# KiCad board TX75v2 PCB replacement.kicad_pcb (continued)
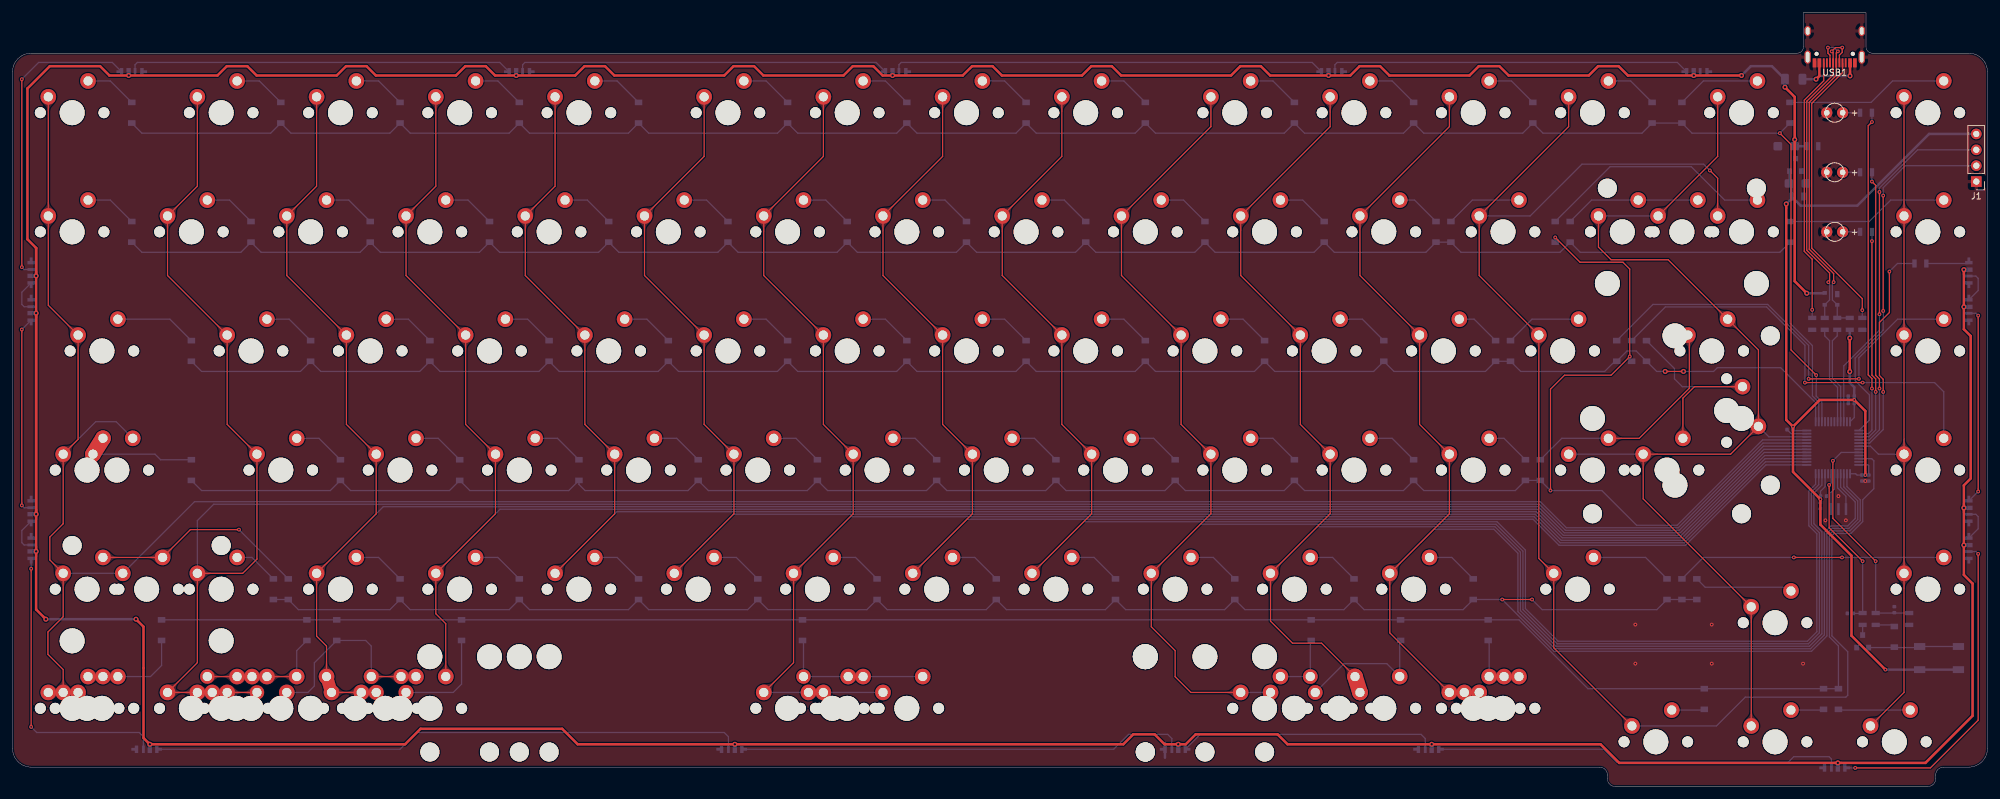
[diagram p0: board, top side]
## Copper pours and planes (outline as drawn; the poured copper is in the pictures) (continued)
Net-(D11-Pad2) on Bottom: 43.13,74.83 43.02,74.83 42.92,74.84 42.83,74.85 42.75,74.86 42.67,74.88 42.59,74.9 42.52,74.92 42.45,74.94 42.39,74.97 42.33,75 42.28,75.03 42.22,75.07 42.17,75.11 42.12,75.14 41.73,75.49 41.68,75.54 41.62,75.59 41.56,75.63 41.49,75.68 41.42,75.72 41.35,75.77 41.27,75.81 41.18,75.86 40.02,74.73 41.18,73.61 41.27,73.65 41.35,73.69 41.42,73.74 41.49,73.78 41.56,73.83 41.62,73.88 41.68,73.92 41.73,73.97 42.12,74.32 42.17,74.36 42.22,74.39 42.28,74.43 42.33,74.46 42.39,74.49 42.45,74.52 42.52,74.54 42.59,74.57 42.67,74.59 42.75,74.6 42.83,74.61 42.92,74.62 43.02,74.63 43.13,74.63
Net-(D12-Pad2) on Bottom: 47.89,55.78 47.79,55.78 47.69,55.79 47.59,55.8 47.51,55.81 47.43,55.83 47.35,55.85 47.28,55.87 47.22,55.89 47.15,55.92 47.1,55.95 47.04,55.98 46.99,56.02 46.94,56.06 46.89,56.09 46.5,56.44 46.44,56.49 46.38,56.54 46.32,56.58 46.26,56.63 46.19,56.67 46.11,56.72 46.03,56.76 45.95,56.81 44.78,55.68 45.95,54.56 46.03,54.6 46.11,54.64 46.19,54.69 46.26,54.73 46.32,54.78 46.38,54.83 46.44,54.87 46.5,54.92 46.89,55.27 46.94,55.31 46.99,55.34 47.04,55.38 47.1,55.41 47.15,55.44 47.22,55.47 47.28,55.49 47.35,55.52 47.43,55.54 47.51,55.55 47.59,55.56 47.69,55.57 47.79,55.58 47.89,55.58
Net-(D13-Pad2) on Bottom: 38.41,36.61 38.34,36.67 38.28,36.73 38.22,36.78 38.16,36.82 38.1,36.86 38.04,36.9 37.98,36.93 37.93,36.96 37.87,36.98 37.82,37.01 37.25,37.18 37.2,37.21 37.15,37.23 37.1,37.26 37.04,37.29 36.99,37.32 36.93,37.36 36.88,37.41 36.82,37.46 36.76,37.52 35.25,36.63 36.42,35.51 36.5,35.55 36.58,35.6 36.66,35.65 36.73,35.71 36.8,35.77 36.86,35.83 36.93,35.9 36.99,35.96 37.05,36.03 37.33,36.35 37.38,36.41 37.43,36.47 37.49,36.52 37.54,36.56 37.59,36.6 37.65,36.63 37.7,36.66 37.76,36.68 37.81,36.69 37.87,36.69 37.93,36.68 38,36.66 38.06,36.63 38.13,36.59 38.2,36.53 38.27,36.47
Net-(D14-Pad2) on Top: 38.37,17.78 38.26,17.78 38.17,17.79 38.07,17.8 37.99,17.81 37.91,17.82 37.83,17.84 37.76,17.86 37.7,17.88 37.63,17.9 37.57,17.93 37.52,17.96 37.46,17.99 37.41,18.02 37.36,18.05 36.85,18.45 36.79,18.49 36.72,18.54 36.66,18.58 36.58,18.62 36.51,18.67 36.42,18.71 35.25,17.58 36.42,16.46 36.51,16.5 36.58,16.54 36.66,16.58 36.72,16.63 36.79,16.67 36.85,16.71 37.36,17.11 37.41,17.14 37.46,17.18 37.52,17.21 37.57,17.23 37.63,17.26 37.7,17.28 37.76,17.31 37.83,17.33 37.91,17.34 37.99,17.36 38.07,17.37 38.17,17.38 38.26,17.38 38.37,17.38
Net-(D14-Pad2) on Top: 38.15,17.38 38.25,17.38 38.35,17.38 38.44,17.37 38.53,17.36 38.61,17.34 38.68,17.33 38.75,17.31 38.82,17.28 38.88,17.26 38.94,17.23 39,17.21 39.05,17.18 39.11,17.14 39.16,17.11 39.67,16.71 39.73,16.67 39.79,16.63 39.86,16.58 39.93,16.54 40.01,16.5 40.1,16.46 41.27,17.58 40.1,18.71 40.01,18.67 39.93,18.62 39.86,18.58 39.79,18.54 39.73,18.49 39.67,18.45 39.16,18.05 39.11,18.02 39.05,17.99 39,17.96 38.94,17.93 38.88,17.9 38.82,17.88 38.75,17.86 38.68,17.84 38.61,17.82 38.53,17.81 38.44,17.8 38.35,17.79 38.25,17.78 38.15,17.78
Net-(D14-Pad2) on Top: 33.39,17.48 33.49,17.48 33.59,17.47 33.68,17.46 33.77,17.45 33.85,17.44 33.93,17.42 34,17.39 34.06,17.37 34.13,17.34 34.18,17.31 34.24,17.28 34.29,17.24 34.34,17.21 34.39,17.17 34.78,16.82 34.84,16.77 34.9,16.73 34.96,16.68 35.02,16.63 35.09,16.59 35.17,16.54 35.25,16.5 35.33,16.46 36.5,17.58 35.33,18.71 35.25,18.66 35.17,18.62 35.09,18.57 35.02,18.53 34.96,18.48 34.9,18.44 34.84,18.39 34.78,18.34 34.39,17.99 34.34,17.96 34.29,17.92 34.24,17.88 34.18,17.85 34.13,17.82 34.06,17.79 34,17.77 33.93,17.75 33.85,17.73 33.77,17.71 33.68,17.7 33.59,17.69 33.49,17.68 33.39,17.68
Net-(D14-Pad2) on Top: 33.41,17.68 33.31,17.68 33.22,17.69 33.13,17.7 33.05,17.71 32.98,17.72 32.91,17.74 32.84,17.76 32.78,17.78 32.73,17.81 32.67,17.84 32.62,17.87 32.57,17.9 32.53,17.93 32.48,17.97 32.07,18.33 32.02,18.37 31.96,18.41 31.9,18.45 31.84,18.49 31.77,18.54 31.69,18.58 31.62,18.62 30.54,17.58 31.62,16.55 31.69,16.59 31.77,16.63 31.84,16.67 31.9,16.71 31.96,16.75 32.02,16.79 32.07,16.84 32.48,17.2 32.53,17.23 32.57,17.26 32.62,17.3 32.67,17.33 32.73,17.35 32.78,17.38 32.84,17.4 32.91,17.42 32.98,17.44 33.05,17.45 33.13,17.47 33.22,17.47 33.31,17.48 33.41,17.48
Net-(D14-Pad2) on Top: 43.13,17.68 43.02,17.68 42.92,17.69 42.83,17.7 42.75,17.71 42.67,17.73 42.59,17.75 42.52,17.77 42.45,17.79 42.39,17.82 42.33,17.85 42.28,17.88 42.22,17.92 42.17,17.96 42.12,17.99 41.73,18.34 41.68,18.39 41.62,18.44 41.56,18.48 41.49,18.53 41.42,18.57 41.35,18.62 41.27,18.66 41.18,18.71 40.02,17.58 41.18,16.46 41.27,16.5 41.35,16.54 41.42,16.59 41.49,16.63 41.56,16.68 41.62,16.73 41.68,16.77 41.73,16.82 42.12,17.17 42.17,17.21 42.22,17.24 42.28,17.28 42.33,17.31 42.39,17.34 42.45,17.37 42.52,17.39 42.59,17.42 42.67,17.44 42.75,17.45 42.83,17.46 42.92,17.47 43.02,17.48 43.13,17.48
Net-(D14-Pad2) on Top: 42.91,17.48 43.02,17.48 43.12,17.47 43.21,17.46 43.3,17.45 43.38,17.44 43.45,17.42 43.52,17.39 43.59,17.37 43.65,17.34 43.71,17.31 43.77,17.28 43.82,17.24 43.87,17.21 43.92,17.17 44.31,16.82 44.36,16.77 44.42,16.73 44.48,16.68 44.55,16.63 44.62,16.59 44.69,16.54 44.77,16.5 44.86,16.46 46.03,17.58 44.86,18.71 44.77,18.66 44.69,18.62 44.62,18.57 44.55,18.53 44.48,18.48 44.42,18.44 44.36,18.39 44.31,18.34 43.92,17.99 43.87,17.96 43.82,17.92 43.77,17.88 43.71,17.85 43.65,17.82 43.59,17.79 43.52,17.77 43.45,17.75 43.38,17.73 43.3,17.71 43.21,17.7 43.12,17.69 43.02,17.68 42.91,17.68
Net-(D14-Pad2) on Bottom: 45.3,20.07 45.3,19.97 45.29,19.87 45.29,19.77 45.27,19.69 45.26,19.61 45.24,19.53 45.21,19.46 45.19,19.4 45.16,19.33 45.13,19.27 45.1,19.22 45.06,19.17 45.03,19.12 44.99,19.07 44.64,18.68 44.59,18.62 44.55,18.56 44.5,18.5 44.46,18.44 44.41,18.37 44.36,18.29 44.32,18.21 44.28,18.13 45.4,16.96 46.53,18.13 46.48,18.21 46.44,18.29 46.4,18.37 46.35,18.44 46.3,18.5 46.26,18.56 46.21,18.62 46.16,18.68 45.82,19.07 45.78,19.12 45.74,19.17 45.71,19.22 45.67,19.27 45.64,19.33 45.62,19.4 45.59,19.46 45.57,19.53 45.55,19.61 45.53,19.69 45.52,19.77 45.51,19.87 45.5,19.97 45.5,20.07
Net-(D15-Pad2) on Bottom: 57.42,112.93 57.31,112.93 57.21,112.94 57.12,112.95 57.03,112.96 56.95,112.98 56.88,113 56.81,113.02 56.74,113.04 56.68,113.07 56.62,113.1 56.56,113.13 56.51,113.17 56.46,113.21 56.41,113.24 56.02,113.59 55.97,113.64 55.91,113.69 55.85,113.73 55.78,113.78 55.71,113.82 55.64,113.87 55.56,113.91 55.47,113.96 54.3,112.83 55.47,111.71 55.56,111.75 55.64,111.79 55.71,111.84 55.78,111.88 55.85,111.93 55.91,111.98 55.97,112.02 56.02,112.07 56.41,112.42 56.46,112.46 56.51,112.49 56.56,112.53 56.62,112.56 56.68,112.59 56.74,112.62 56.81,112.64 56.88,112.67 56.95,112.69 57.03,112.7 57.12,112.71 57.21,112.72 57.31,112.73 57.42,112.73
Net-(D16-Pad2) on Bottom: 52.66,93.88 52.55,93.88 52.45,93.89 52.36,93.9 52.27,93.91 52.19,93.93 52.12,93.95 52.04,93.97 51.98,93.99 51.92,94.02 51.86,94.05 51.8,94.08 51.75,94.12 51.7,94.16 51.65,94.19 51.26,94.54 51.2,94.59 51.15,94.64 51.08,94.68 51.02,94.73 50.95,94.77 50.87,94.82 50.8,94.86 50.71,94.91 49.54,93.78 50.71,92.66 50.8,92.7 50.87,92.74 50.95,92.79 51.02,92.83 51.08,92.88 51.15,92.93 51.2,92.97 51.26,93.02 51.65,93.37 51.7,93.41 51.75,93.44 51.8,93.48 51.86,93.51 51.92,93.54 51.98,93.57 52.04,93.59 52.12,93.62 52.19,93.64 52.27,93.65 52.36,93.66 52.45,93.67 52.55,93.68 52.66,93.68
Net-(D17-Pad2) on Bottom: 62.18,74.83 62.07,74.83 61.97,74.84 61.88,74.85 61.8,74.86 61.72,74.88 61.64,74.9 61.57,74.92 61.5,74.94 61.44,74.97 61.38,75 61.33,75.03 61.27,75.07 61.22,75.11 61.17,75.14 60.78,75.49 60.73,75.54 60.67,75.59 60.61,75.63 60.54,75.68 60.47,75.72 60.4,75.77 60.32,75.81 60.23,75.86 59.06,74.73 60.23,73.61 60.32,73.65 60.4,73.69 60.47,73.74 60.54,73.78 60.61,73.83 60.67,73.88 60.73,73.92 60.78,73.97 61.17,74.32 61.22,74.36 61.27,74.39 61.33,74.43 61.38,74.46 61.44,74.49 61.5,74.52 61.57,74.54 61.64,74.57 61.72,74.59 61.8,74.6 61.88,74.61 61.97,74.62 62.07,74.63 62.18,74.63
Net-(D18-Pad2) on Bottom: 66.94,55.78 66.84,55.78 66.74,55.79 66.64,55.8 66.56,55.81 66.48,55.83 66.4,55.85 66.33,55.87 66.27,55.89 66.2,55.92 66.15,55.95 66.09,55.98 66.04,56.02 65.99,56.06 65.94,56.09 65.55,56.44 65.49,56.49 65.43,56.54 65.37,56.58 65.31,56.63 65.24,56.67 65.16,56.72 65.08,56.76 65,56.81 63.83,55.68 65,54.56 65.08,54.6 65.16,54.64 65.24,54.69 65.31,54.73 65.37,54.78 65.43,54.83 65.49,54.87 65.55,54.92 65.94,55.27 65.99,55.31 66.04,55.34 66.09,55.38 66.15,55.41 66.2,55.44 66.27,55.47 66.33,55.49 66.4,55.52 66.48,55.54 66.56,55.55 66.64,55.56 66.74,55.57 66.84,55.58 66.94,55.58
Net-(D19-Pad2) on Bottom: 57.42,36.73 57.31,36.73 57.21,36.74 57.12,36.75 57.03,36.76 56.95,36.78 56.88,36.8 56.81,36.82 56.74,36.84 56.68,36.87 56.62,36.9 56.56,36.93 56.51,36.97 56.46,37.01 56.41,37.04 56.02,37.39 55.97,37.44 55.91,37.49 55.85,37.53 55.78,37.58 55.71,37.62 55.64,37.67 55.56,37.71 55.47,37.76 54.3,36.63 55.47,35.51 55.56,35.55 55.64,35.59 55.71,35.64 55.78,35.68 55.85,35.73 55.91,35.78 55.97,35.82 56.02,35.87 56.41,36.22 56.46,36.26 56.51,36.29 56.56,36.33 56.62,36.36 56.68,36.39 56.74,36.42 56.81,36.44 56.88,36.47 56.95,36.49 57.03,36.5 57.12,36.51 57.21,36.52 57.31,36.53 57.42,36.53
Net-(D20-Pad2) on Top: 64.44,17.78 64.34,17.78 64.25,17.79 64.17,17.8 64.09,17.81 64.01,17.82 63.94,17.83 63.87,17.85 63.81,17.87 63.75,17.89 63.69,17.92 63.64,17.94 63.59,17.97 63.54,18 63.49,18.03 62.96,18.44 62.9,18.49 62.83,18.53 62.77,18.57 62.7,18.61 62.62,18.65 61.47,17.58 62.62,16.52 62.7,16.56 62.77,16.6 62.83,16.64 62.9,16.68 62.96,16.72 63.49,17.13 63.54,17.16 63.59,17.19 63.64,17.22 63.69,17.25 63.75,17.27 63.81,17.29 63.87,17.31 63.94,17.33 64.01,17.35 64.09,17.36 64.17,17.37 64.25,17.38 64.34,17.38 64.44,17.38
Net-(D20-Pad2) on Top: 61.95,17.38 62.06,17.38 62.16,17.38 62.25,17.37 62.33,17.36 62.41,17.34 62.49,17.33 62.56,17.31 62.63,17.28 62.69,17.26 62.75,17.23 62.81,17.21 62.86,17.18 62.91,17.14 62.96,17.11 63.48,16.71 63.54,16.67 63.61,16.63 63.67,16.58 63.75,16.54 63.82,16.5 63.91,16.46 65.08,17.58 63.91,18.71 63.82,18.66 63.75,18.62 63.67,18.58 63.61,18.54 63.54,18.49 63.48,18.45 62.96,18.05 62.91,18.02 62.86,17.99 62.81,17.96 62.75,17.93 62.69,17.9 62.63,17.88 62.56,17.86 62.49,17.84 62.41,17.82 62.33,17.81 62.25,17.8 62.16,17.79 62.06,17.78 61.95,17.78
Net-(D20-Pad2) on Top: 59.7,17.68 59.6,17.68 59.5,17.69 59.41,17.7 59.33,17.71 59.25,17.73 59.18,17.74 59.11,17.77 59.05,17.79 58.99,17.82 58.93,17.84 58.88,17.88 58.83,17.91 58.78,17.94 58.73,17.98 58.31,18.36 58.25,18.4 58.19,18.45 58.13,18.49 58.06,18.53 57.99,18.58 57.91,18.62 57.83,18.66 56.71,17.58 57.83,16.5 57.91,16.54 57.99,16.59 58.06,16.63 58.13,16.67 58.19,16.72 58.25,16.76 58.31,16.81 58.73,17.18 58.78,17.22 58.83,17.25 58.88,17.29 58.93,17.32 58.99,17.35 59.05,17.37 59.11,17.4 59.18,17.42 59.25,17.44 59.33,17.45 59.41,17.47 59.5,17.47 59.6,17.48 59.7,17.48
Net-(D20-Pad2) on Top: 59.68,17.48 59.78,17.48 59.88,17.47 59.97,17.47 60.05,17.45 60.13,17.44 60.2,17.42 60.27,17.4 60.33,17.37 60.39,17.35 60.45,17.32 60.5,17.29 60.55,17.25 60.6,17.22 60.65,17.18 61.07,16.81 61.13,16.76 61.19,16.72 61.25,16.67 61.32,16.63 61.39,16.59 61.47,16.54 61.55,16.5 62.67,17.58 61.55,18.66 61.47,18.62 61.39,18.58 61.32,18.53 61.25,18.49 61.19,18.45 61.13,18.4 61.07,18.36 60.65,17.98 60.6,17.94 60.55,17.91 60.5,17.88 60.45,17.84 60.39,17.82 60.33,17.79 60.27,17.77 60.2,17.74 60.13,17.73 60.05,17.71 59.97,17.7 59.88,17.69 59.78,17.68 59.68,17.68
Net-(D20-Pad2) on Bottom: 57.21,19.97 57.21,19.87 57.2,19.77 57.19,19.69 57.18,19.6 57.16,19.53 57.15,19.45 57.12,19.39 57.1,19.32 57.07,19.26 57.05,19.21 57.01,19.15 56.98,19.1 56.95,19.05 56.91,19.01 56.53,18.58 56.49,18.52 56.44,18.46 56.4,18.4 56.36,18.33 56.31,18.26 56.27,18.19 56.23,18.1 57.31,16.98 58.39,18.1 58.35,18.19 58.3,18.26 58.26,18.33 58.22,18.4 58.17,18.46 58.13,18.52 58.09,18.58 57.71,19.01 57.67,19.05 57.64,19.1 57.6,19.15 57.57,19.21 57.54,19.26 57.52,19.32 57.49,19.39 57.47,19.45 57.45,19.53 57.44,19.6 57.43,19.69 57.42,19.77 57.41,19.87 57.41,19.97
Net-(D20-Pad2) on Bottom: 46.31,15.14 46.2,15.14 46.1,15.15 46.01,15.16 45.92,15.17 45.84,15.19 45.77,15.21 45.69,15.23 45.63,15.25 45.57,15.28 45.51,15.31 45.45,15.34 45.4,15.38 45.35,15.42 45.3,15.45 44.91,15.8 44.85,15.85 44.8,15.9 44.73,15.94 44.67,15.99 44.6,16.03 44.52,16.08 44.45,16.12 44.36,16.17 43.19,15.04 44.36,13.92 44.45,13.96 44.52,14 44.6,14.05 44.67,14.09 44.73,14.14 44.8,14.19 44.85,14.23 44.91,14.28 45.3,14.63 45.35,14.67 45.4,14.7 45.45,14.74 45.51,14.77 45.57,14.8 45.63,14.83 45.69,14.85 45.77,14.88 45.84,14.9 45.92,14.91 46.01,14.92 46.1,14.93 46.2,14.94 46.31,14.94
Net-(D21-Pad2) on Bottom: 76.47,112.93 76.36,112.93 76.26,112.94 76.17,112.95 76.08,112.96 76,112.98 75.93,113 75.86,113.02 75.79,113.04 75.73,113.07 75.67,113.1 75.61,113.13 75.56,113.17 75.51,113.21 75.46,113.24 75.07,113.59 75.02,113.64 74.96,113.69 74.9,113.73 74.83,113.78 74.76,113.82 74.69,113.87 74.61,113.91 74.52,113.96 73.35,112.83 74.52,111.71 74.61,111.75 74.69,111.79 74.76,111.84 74.83,111.88 74.9,111.93 74.96,111.98 75.02,112.02 75.07,112.07 75.46,112.42 75.51,112.46 75.56,112.49 75.61,112.53 75.67,112.56 75.73,112.59 75.79,112.62 75.86,112.64 75.93,112.67 76,112.69 76.08,112.7 76.17,112.71 76.26,112.72 76.36,112.73 76.47,112.73
Net-(D22-Pad2) on Bottom: 71.7,93.88 71.6,93.88 71.5,93.89 71.41,93.9 71.32,93.91 71.24,93.93 71.17,93.95 71.09,93.97 71.03,93.99 70.97,94.02 70.91,94.05 70.85,94.08 70.8,94.12 70.75,94.16 70.7,94.19 70.31,94.54 70.25,94.59 70.2,94.64 70.13,94.68 70.07,94.73 70,94.77 69.92,94.82 69.85,94.86 69.76,94.91 68.59,93.78 69.76,92.66 69.85,92.7 69.92,92.74 70,92.79 70.07,92.83 70.13,92.88 70.2,92.93 70.25,92.97 70.31,93.02 70.7,93.37 70.75,93.41 70.8,93.44 70.85,93.48 70.91,93.51 70.97,93.54 71.03,93.57 71.09,93.59 71.17,93.62 71.24,93.64 71.32,93.65 71.41,93.66 71.5,93.67 71.6,93.68 71.7,93.68
Net-(D23-Pad2) on Bottom: 81.23,74.83 81.12,74.83 81.02,74.84 80.93,74.85 80.85,74.86 80.77,74.88 80.69,74.9 80.62,74.92 80.55,74.94 80.49,74.97 80.43,75 80.38,75.03 80.32,75.07 80.27,75.11 80.22,75.14 79.83,75.49 79.78,75.54 79.72,75.59 79.66,75.63 79.59,75.68 79.52,75.72 79.45,75.77 79.37,75.81 79.28,75.86 78.11,74.73 79.28,73.61 79.37,73.65 79.45,73.69 79.52,73.74 79.59,73.78 79.66,73.83 79.72,73.88 79.78,73.92 79.83,73.97 80.22,74.32 80.27,74.36 80.32,74.39 80.38,74.43 80.43,74.46 80.49,74.49 80.55,74.52 80.62,74.54 80.69,74.57 80.77,74.59 80.85,74.6 80.93,74.61 81.02,74.62 81.12,74.63 81.23,74.63
Net-(D24-Pad2) on Bottom: 85.99,55.78 85.89,55.78 85.79,55.79 85.69,55.8 85.61,55.81 85.53,55.83 85.45,55.85 85.38,55.87 85.32,55.89 85.25,55.92 85.2,55.95 85.14,55.98 85.09,56.02 85.04,56.06 84.99,56.09 84.6,56.44 84.54,56.49 84.48,56.54 84.42,56.58 84.36,56.63 84.29,56.67 84.21,56.72 84.13,56.76 84.05,56.81 82.88,55.68 84.05,54.56 84.13,54.6 84.21,54.64 84.29,54.69 84.36,54.73 84.42,54.78 84.48,54.83 84.54,54.87 84.6,54.92 84.99,55.27 85.04,55.31 85.09,55.34 85.14,55.38 85.2,55.41 85.25,55.44 85.32,55.47 85.38,55.49 85.45,55.52 85.53,55.54 85.61,55.55 85.69,55.56 85.79,55.57 85.89,55.58 85.99,55.58
Net-(D25-Pad2) on Bottom: 76.47,36.73 76.36,36.73 76.26,36.74 76.17,36.75 76.08,36.76 76,36.78 75.93,36.8 75.86,36.82 75.79,36.84 75.73,36.87 75.67,36.9 75.61,36.93 75.56,36.97 75.51,37.01 75.46,37.04 75.07,37.39 75.02,37.44 74.96,37.49 74.9,37.53 74.83,37.58 74.76,37.62 74.69,37.67 74.61,37.71 74.52,37.76 73.35,36.63 74.52,35.51 74.61,35.55 74.69,35.59 74.76,35.64 74.83,35.68 74.9,35.73 74.96,35.78 75.02,35.82 75.07,35.87 75.46,36.22 75.51,36.26 75.56,36.29 75.61,36.33 75.67,36.36 75.73,36.39 75.79,36.42 75.86,36.44 75.93,36.47 76,36.49 76.08,36.5 76.17,36.51 76.26,36.52 76.36,36.53 76.47,36.53
Net-(D26-Pad2) on Bottom: 95.52,112.93 95.41,112.93 95.31,112.94 95.22,112.95 95.13,112.96 95.05,112.98 94.98,113 94.91,113.02 94.84,113.04 94.78,113.07 94.72,113.1 94.66,113.13 94.61,113.17 94.56,113.21 94.51,113.24 94.12,113.59 94.07,113.64 94.01,113.69 93.95,113.73 93.88,113.78 93.81,113.82 93.74,113.87 93.66,113.91 93.57,113.96 92.4,112.83 93.57,111.71 93.66,111.75 93.74,111.79 93.81,111.84 93.88,111.88 93.95,111.93 94.01,111.98 94.07,112.02 94.12,112.07 94.51,112.42 94.56,112.46 94.61,112.49 94.66,112.53 94.72,112.56 94.78,112.59 94.84,112.62 94.91,112.64 94.98,112.67 95.05,112.69 95.13,112.7 95.22,112.71 95.31,112.72 95.41,112.73 95.52,112.73
Net-(D27-Pad2) on Bottom: 90.75,93.88 90.65,93.88 90.55,93.89 90.46,93.9 90.37,93.91 90.29,93.93 90.22,93.95 90.14,93.97 90.08,93.99 90.02,94.02 89.96,94.05 89.9,94.08 89.85,94.12 89.8,94.16 89.75,94.19 89.36,94.54 89.3,94.59 89.25,94.64 89.18,94.68 89.12,94.73 89.05,94.77 88.97,94.82 88.9,94.86 88.81,94.91 87.64,93.78 88.81,92.66 88.9,92.7 88.97,92.74 89.05,92.79 89.12,92.83 89.18,92.88 89.25,92.93 89.3,92.97 89.36,93.02 89.75,93.37 89.8,93.41 89.85,93.44 89.9,93.48 89.96,93.51 90.02,93.54 90.08,93.57 90.14,93.59 90.22,93.62 90.29,93.64 90.37,93.65 90.46,93.66 90.55,93.67 90.65,93.68 90.75,93.68
Net-(D28-Pad2) on Bottom: 100.28,74.83 100.17,74.83 100.07,74.84 99.98,74.85 99.9,74.86 99.82,74.88 99.74,74.9 99.67,74.92 99.6,74.94 99.54,74.97 99.48,75 99.43,75.03 99.37,75.07 99.32,75.11 99.27,75.14 98.88,75.49 98.83,75.54 98.77,75.59 98.71,75.63 98.64,75.68 98.57,75.72 98.5,75.77 98.42,75.81 98.33,75.86 97.16,74.73 98.33,73.61 98.42,73.65 98.5,73.69 98.57,73.74 98.64,73.78 98.71,73.83 98.77,73.88 98.83,73.92 98.88,73.97 99.27,74.32 99.32,74.36 99.37,74.39 99.43,74.43 99.48,74.46 99.54,74.49 99.6,74.52 99.67,74.54 99.74,74.57 99.82,74.59 99.9,74.6 99.98,74.61 100.07,74.62 100.17,74.63 100.28,74.63
Net-(D29-Pad2) on Bottom: 105.04,55.78 104.94,55.78 104.84,55.79 104.74,55.8 104.66,55.81 104.58,55.83 104.5,55.85 104.43,55.87 104.37,55.89 104.3,55.92 104.25,55.95 104.19,55.98 104.14,56.02 104.09,56.06 104.04,56.09 103.65,56.44 103.59,56.49 103.53,56.54 103.47,56.58 103.41,56.63 103.34,56.67 103.26,56.72 103.18,56.76 103.1,56.81 101.93,55.68 103.1,54.56 103.18,54.6 103.26,54.64 103.34,54.69 103.41,54.73 103.47,54.78 103.53,54.83 103.59,54.87 103.65,54.92 104.04,55.27 104.09,55.31 104.14,55.34 104.19,55.38 104.25,55.41 104.3,55.44 104.37,55.47 104.43,55.49 104.5,55.52 104.58,55.54 104.66,55.55 104.74,55.56 104.84,55.57 104.94,55.58 105.04,55.58
Net-(D30-Pad2) on Bottom: 95.52,36.73 95.41,36.73 95.31,36.74 95.22,36.75 95.13,36.76 95.05,36.78 94.98,36.8 94.91,36.82 94.84,36.84 94.78,36.87 94.72,36.9 94.66,36.93 94.61,36.97 94.56,37.01 94.51,37.04 94.12,37.39 94.07,37.44 94.01,37.49 93.95,37.53 93.88,37.58 93.81,37.62 93.74,37.67 93.66,37.71 93.57,37.76 92.4,36.63 93.57,35.51 93.66,35.55 93.74,35.59 93.81,35.64 93.88,35.68 93.95,35.73 94.01,35.78 94.07,35.82 94.12,35.87 94.51,36.22 94.56,36.26 94.61,36.29 94.66,36.33 94.72,36.36 94.78,36.39 94.84,36.42 94.91,36.44 94.98,36.47 95.05,36.49 95.13,36.5 95.22,36.51 95.31,36.52 95.41,36.53 95.52,36.53
Net-(D31-Pad2) on Bottom: 119.33,112.93 119.22,112.93 119.12,112.94 119.03,112.95 118.95,112.96 118.87,112.98 118.79,113 118.72,113.02 118.65,113.04 118.59,113.07 118.53,113.1 118.48,113.13 118.42,113.17 118.37,113.21 118.32,113.24 117.93,113.59 117.88,113.64 117.82,113.69 117.76,113.73 117.69,113.78 117.62,113.82 117.55,113.87 117.47,113.91 117.38,113.96 116.22,112.83 117.38,111.71 117.47,111.75 117.55,111.79 117.62,111.84 117.69,111.88 117.76,111.93 117.82,111.98 117.88,112.02 117.93,112.07 118.32,112.42 118.37,112.46 118.42,112.49 118.48,112.53 118.53,112.56 118.59,112.59 118.65,112.62 118.72,112.64 118.79,112.67 118.87,112.69 118.95,112.7 119.03,112.71 119.12,112.72 119.22,112.73 119.33,112.73
Net-(D32-Pad2) on Bottom: 109.81,93.88 109.7,93.88 109.6,93.89 109.51,93.9 109.42,93.91 109.34,93.93 109.27,93.95 109.19,93.97 109.13,93.99 109.07,94.02 109.01,94.05 108.95,94.08 108.9,94.12 108.85,94.16 108.8,94.19 108.41,94.54 108.35,94.59 108.3,94.64 108.23,94.68 108.17,94.73 108.1,94.77 108.02,94.82 107.95,94.86 107.86,94.91 106.69,93.78 107.86,92.66 107.95,92.7 108.02,92.74 108.1,92.79 108.17,92.83 108.23,92.88 108.3,92.93 108.35,92.97 108.41,93.02 108.8,93.37 108.85,93.41 108.9,93.44 108.95,93.48 109.01,93.51 109.07,93.54 109.13,93.57 109.19,93.59 109.27,93.62 109.34,93.64 109.42,93.65 109.51,93.66 109.6,93.67 109.7,93.68 109.81,93.68
Net-(D33-Pad2) on Bottom: 119.33,74.83 119.22,74.83 119.12,74.84 119.03,74.85 118.95,74.86 118.87,74.88 118.79,74.9 118.72,74.92 118.65,74.94 118.59,74.97 118.53,75 118.48,75.03 118.42,75.07 118.37,75.11 118.32,75.14 117.93,75.49 117.88,75.54 117.82,75.59 117.76,75.63 117.69,75.68 117.62,75.72 117.55,75.77 117.47,75.81 117.38,75.86 116.22,74.73 117.38,73.61 117.47,73.65 117.55,73.69 117.62,73.74 117.69,73.78 117.76,73.83 117.82,73.88 117.88,73.92 117.93,73.97 118.32,74.32 118.37,74.36 118.42,74.39 118.48,74.43 118.53,74.46 118.59,74.49 118.65,74.52 118.72,74.54 118.79,74.57 118.87,74.59 118.95,74.6 119.03,74.61 119.12,74.62 119.22,74.63 119.33,74.63
Net-(D34-Pad2) on Bottom: 124.09,55.78 123.99,55.78 123.89,55.79 123.79,55.8 123.71,55.81 123.63,55.83 123.55,55.85 123.48,55.87 123.42,55.89 123.35,55.92 123.3,55.95 123.24,55.98 123.19,56.02 123.14,56.06 123.09,56.09 122.7,56.44 122.64,56.49 122.58,56.54 122.52,56.58 122.46,56.63 122.39,56.67 122.31,56.72 122.23,56.76 122.15,56.81 120.98,55.68 122.15,54.56 122.23,54.6 122.31,54.64 122.39,54.69 122.46,54.73 122.52,54.78 122.58,54.83 122.64,54.87 122.7,54.92 123.09,55.27 123.14,55.31 123.19,55.34 123.24,55.38 123.3,55.41 123.35,55.44 123.42,55.47 123.48,55.49 123.55,55.52 123.63,55.54 123.71,55.55 123.79,55.56 123.89,55.57 123.99,55.58 124.09,55.58
Net-(D35-Pad2) on Bottom: 114.57,36.73 114.46,36.73 114.36,36.74 114.27,36.75 114.18,36.76 114.1,36.78 114.03,36.8 113.96,36.82 113.89,36.84 113.83,36.87 113.77,36.9 113.71,36.93 113.66,36.97 113.61,37.01 113.56,37.04 113.17,37.39 113.12,37.44 113.06,37.49 113,37.53 112.93,37.58 112.86,37.62 112.79,37.67 112.71,37.71 112.62,37.76 111.45,36.63 112.62,35.51 112.71,35.55 112.79,35.59 112.86,35.64 112.93,35.68 113,35.73 113.06,35.78 113.12,35.82 113.17,35.87 113.56,36.22 113.61,36.26 113.66,36.29 113.71,36.33 113.77,36.36 113.83,36.39 113.89,36.42 113.96,36.44 114.03,36.47 114.1,36.49 114.18,36.5 114.27,36.51 114.36,36.52 114.46,36.53 114.57,36.53
Net-(D36-Pad2) on Bottom: 138.38,112.93 138.27,112.93 138.17,112.94 138.08,112.95 138,112.96 137.92,112.98 137.84,113 137.77,113.02 137.7,113.04 137.64,113.07 137.58,113.1 137.53,113.13 137.47,113.17 137.42,113.21 137.37,113.24 136.98,113.59 136.93,113.64 136.87,113.69 136.81,113.73 136.74,113.78 136.67,113.82 136.6,113.87 136.52,113.91 136.43,113.96 135.26,112.83 136.43,111.71 136.52,111.75 136.6,111.79 136.67,111.84 136.74,111.88 136.81,111.93 136.87,111.98 136.93,112.02 136.98,112.07 137.37,112.42 137.42,112.46 137.47,112.49 137.53,112.53 137.58,112.56 137.64,112.59 137.7,112.62 137.77,112.64 137.84,112.67 137.92,112.69 138,112.7 138.08,112.71 138.17,112.72 138.27,112.73 138.38,112.73
Net-(D37-Pad2) on Bottom: 128.85,93.88 128.75,93.88 128.65,93.89 128.56,93.9 128.47,93.91 128.39,93.93 128.32,93.95 128.24,93.97 128.18,93.99 128.12,94.02 128.06,94.05 128,94.08 127.95,94.12 127.9,94.16 127.85,94.19 127.46,94.54 127.4,94.59 127.35,94.64 127.28,94.68 127.22,94.73 127.15,94.77 127.07,94.82 127,94.86 126.91,94.91 125.74,93.78 126.91,92.66 127,92.7 127.07,92.74 127.15,92.79 127.22,92.83 127.28,92.88 127.35,92.93 127.4,92.97 127.46,93.02 127.85,93.37 127.9,93.41 127.95,93.44 128,93.48 128.06,93.51 128.12,93.54 128.18,93.57 128.24,93.59 128.32,93.62 128.39,93.64 128.47,93.65 128.56,93.66 128.65,93.67 128.75,93.68 128.85,93.68
Net-(D38-Pad2) on Bottom: 138.38,74.83 138.27,74.83 138.17,74.84 138.08,74.85 138,74.86 137.92,74.88 137.84,74.9 137.77,74.92 137.7,74.94 137.64,74.97 137.58,75 137.53,75.03 137.47,75.07 137.42,75.11 137.37,75.14 136.98,75.49 136.93,75.54 136.87,75.59 136.81,75.63 136.74,75.68 136.67,75.72 136.6,75.77 136.52,75.81 136.43,75.86 135.26,74.73 136.43,73.61 136.52,73.65 136.6,73.69 136.67,73.74 136.74,73.78 136.81,73.83 136.87,73.88 136.93,73.92 136.98,73.97 137.37,74.32 137.42,74.36 137.47,74.39 137.53,74.43 137.58,74.46 137.64,74.49 137.7,74.52 137.77,74.54 137.84,74.57 137.92,74.59 138,74.6 138.08,74.61 138.17,74.62 138.27,74.63 138.38,74.63
Net-(D39-Pad2) on Bottom: 143.14,55.78 143.04,55.78 142.94,55.79 142.84,55.8 142.76,55.81 142.68,55.83 142.6,55.85 142.53,55.87 142.47,55.89 142.4,55.92 142.35,55.95 142.29,55.98 142.24,56.02 142.19,56.06 142.14,56.09 141.75,56.44 141.69,56.49 141.63,56.54 141.57,56.58 141.51,56.63 141.44,56.67 141.36,56.72 141.28,56.76 141.2,56.81 140.03,55.68 141.2,54.56 141.28,54.6 141.36,54.64 141.44,54.69 141.51,54.73 141.57,54.78 141.63,54.83 141.69,54.87 141.75,54.92 142.14,55.27 142.19,55.31 142.24,55.34 142.29,55.38 142.35,55.41 142.4,55.44 142.47,55.47 142.53,55.49 142.6,55.52 142.68,55.54 142.76,55.55 142.84,55.56 142.94,55.57 143.04,55.58 143.14,55.58
